# KiCad board Wheels Board.kicad_pcb
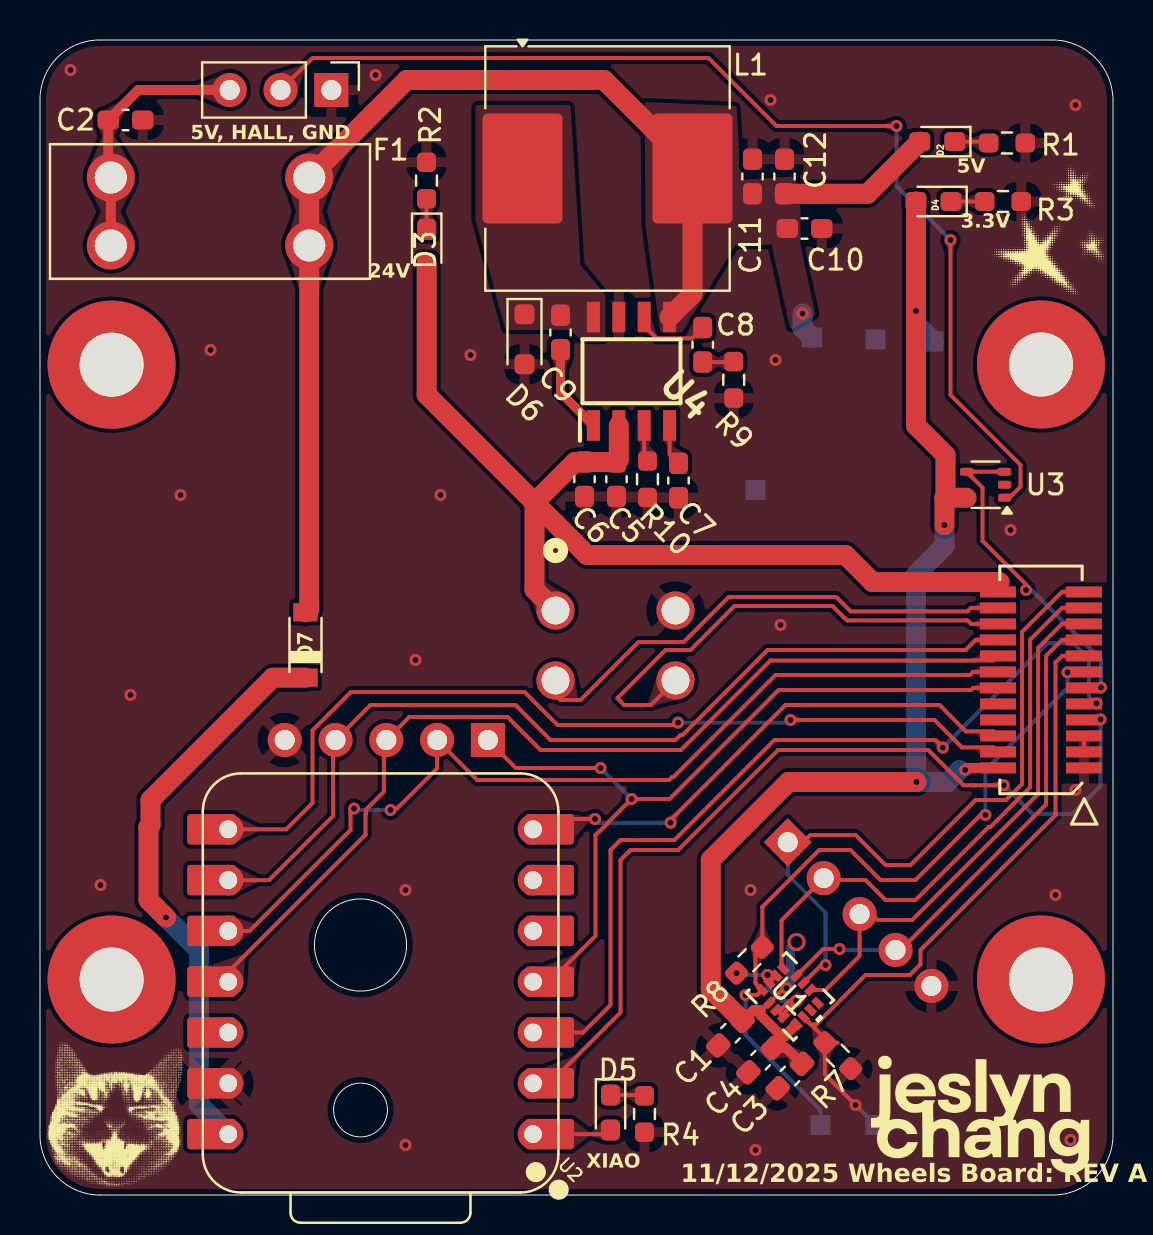
[diagram p0: board, top side]
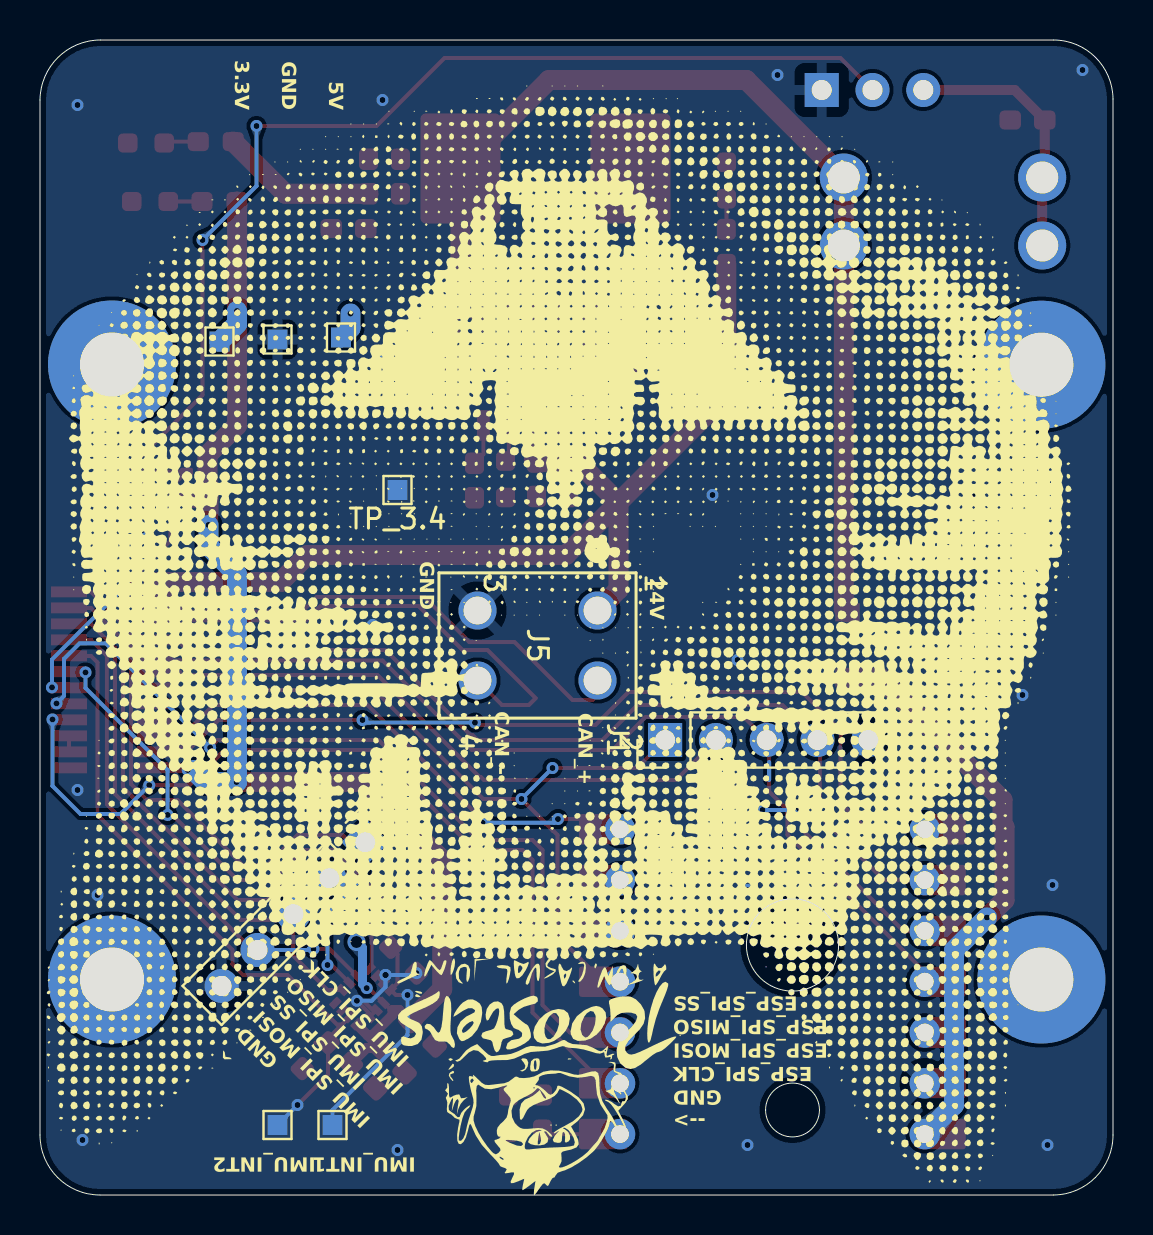
[diagram p1: board, bottom side, seen from below]

Outline 53.65 x 57.75 mm; copper layers: Top, Bottom. Coordinates in mm from the lower left corner of the outline.
Outline path: circle c16.03,12.5 r2.3 ; circle c16.03,4.25 r1.35 ; 0,3 0,54.8 arc(0.88,56.89) 2.98,57.75 50.62,57.75 arc(52.76,56.87) 53.65,54.75 53.65,3 arc(52.77,0.88) 50.65,0 2.98,0 arc(0.87,0.89) 0,3
Stack: Top 0.035mm / dielectric 1.51mm FR4 er 4.5 / Bottom 0.035mm

## Placement (name value [footprint] x y rotation side)
C1  100nf  [C_0603_1608Metric_Pad1.08x0.95mm_HandSolder]  34.53 8.09 225 top
C2  100nf  [C_0603_1608Metric_Pad1.08x0.95mm_HandSolder]  4.28 53.75 0 top
C3  10uf  [C_0603_1608Metric_Pad1.08x0.95mm_HandSolder]  37.5 5.95 225 top
C4  100nf  [C_0603_1608Metric_Pad1.08x0.95mm_HandSolder]  36.03 6.74 225 top
C5  10uF  [C_0603_1608Metric_Pad1.08x0.95mm_HandSolder]  28.83 35.79 270 top
C6  1uF  [C_0603_1608Metric_Pad1.08x0.95mm_HandSolder]  27.23 35.79 270 top
C7  10nF  [C_0603_1608Metric_Pad1.08x0.95mm_HandSolder]  31.93 35.72 270 top
C8  3.3nF  [C_0603_1608Metric_Pad1.08x0.95mm_HandSolder]  33.14 42.51 270 top
C9  0.1uF  [C_0603_1608Metric_Pad1.08x0.95mm_HandSolder]  26.03 43.12 90 top
C10  10uF  [C_0603_1608Metric_Pad1.08x0.95mm_HandSolder]  38.23 48.33 0 top
C11  10uF  [C_0603_1608Metric_Pad1.08x0.95mm_HandSolder]  35.62 50.92 90 top
C12  10uF  [C_0603_1608Metric_Pad1.08x0.95mm_HandSolder]  37.23 50.92 90 top
D2  LED  [LED_0603_1608Metric_Pad1.05x0.95mm_HandSolder]  44.86 52.67 180 top
D3  LED  [LED_0603_1608Metric_Pad1.05x0.95mm_HandSolder]  19.34 47.41 270 top
D4  LED  [LED_0603_1608Metric_Pad1.05x0.95mm_HandSolder]  44.68 49.67 180 top
D5  LED  [LED_0603_1608Metric_Pad1.05x0.95mm_HandSolder]  28.53 4.12 270 top
D6  MBR230S1F  [D_SOD-323_HandSoldering]  24.23 42.79 270 top
D7  MBR0520LT1G  [SOD3716X135N]  13.28 27.5 90 top
F1  Fuse  [FUSE_3568]  8.5 49.17 180 top
G***  -  [LOGO]  50.28 6.25 0 top
G***#2  -  [LOGO]  54.71 47.65 0 top
G***#3  -  [LOGO]  3.78 4 0 top
G***#4  -  [LOGO]  27.73 27.97 0 bottom
J1  Conn_01x05  [PinHeader_1x05_P2.54mm_Vertical]  22.4 22.75 90 bottom
J2  Conn_01x05  [PinHeader_1x05_P2.54mm_Vertical]  37.39 17.64 225 bottom
J3  Conn_01x03  [PinHeader_1x03_P2.54mm_Vertical]  14.57 55.25 270 top
J4  53307-2471  [PeripheralSOM]  50.05 25.75 270 top
J5  -  [MX150_02x02_Vertical]  25.77 29.23 270 bottom
L1  100uH  [L_Coilcraft_MSS1246-XXX]  28.38 51.33 0 top
LOGO1  LHRS  [LHRs_LOGO]  44.78 55.25 0 top
LOGO2  Rooster  [roosters]  28.65 5.95 0 bottom
R1  1.5k  [R_0603_1608Metric_Pad0.98x0.95mm_HandSolder]  48.35 52.6 0 top
R2  4.2k  [R_0603_1608Metric_Pad0.98x0.95mm_HandSolder]  19.33 50.73 90 top
R3  1.5k  [R_0603_1608Metric_Pad0.98x0.95mm_HandSolder]  48.15 49.67 0 top
R4  1.5k  [R_0603_1608Metric_Pad0.98x0.95mm_HandSolder]  30.23 4.05 270 top
R7  10k  [R_0603_1608Metric_Pad0.98x0.95mm_HandSolder]  39.89 6.96 315 top
R8  10k  [R_0603_1608Metric_Pad0.98x0.95mm_HandSolder]  35.47 11.74 225 top
R9  16k  [R_0603_1608Metric_Pad0.98x0.95mm_HandSolder]  34.69 40.76 270 top
R10  ROSC  [R_0603_1608Metric_Pad0.98x0.95mm_HandSolder]  30.38 35.79 270 top  (not fitted)
TP_3.1  TestPoint  [TestPoint_Pad_1.0x1.0mm]  44.68 42.67 0 bottom
TP_3.2  TestPoint  [TestPoint_Pad_1.0x1.0mm]  39.03 3.5 0 bottom
TP_3.3  TestPoint  [TestPoint_Pad_1.0x1.0mm]  41.78 3.5 0 bottom
TP_3.4  TestPoint  [TestPoint_Pad_1.0x1.0mm]  35.78 35.25 0 bottom
TP_5V1  TestPoint  [TestPoint_Pad_1.0x1.0mm]  38.6 42.88 0 bottom
TP_GND1  TestPoint  [TestPoint_Pad_1.0x1.0mm]  41.78 42.78 0 bottom
U1  ASM330LHHTR  [LGA-14L_2P5X3X0P83_STM]  37.5 9.93 315 top
U2  XIAO-ESP32-S3-SMD  [XIAO-ESP32S3-DIP]  17.03 10.67 180 top
U3  TLV9001IDCK  [SOT-353_SC-70-5]  47.28 35.51 180 top
U4  -  [TPS5405DR]  29.58 41.19 90 top

## Library data of the parts
C1 C2 C4 C9 = -: Description: Unpolarized capacitor; P/N: MLASH168SB7104KTNA01; ki_fp_filters: C_*
C3 C5 C10-C12 = -: Description: Unpolarized capacitor; P/N: GRM21BR61H106KE43K; ki_fp_filters: C_*
C6 = -: Description: Unpolarized capacitor; P/N: MLASU168SB5105KTNA01; ki_fp_filters: C_*
C7 C8 = -: Description: Unpolarized capacitor; P/N: MSASH168SB5103KTNA01; ki_fp_filters: C_*
D2-D5 = -: Description: Light emitting diode; Sim.Pins: 1=K 2=A; P/N: LTST-C193TBKT-5A; ki_fp_filters: LED* LED_SMD:* LED_THT:*
D6 = -: Datasheet: https://www.onsemi.com/pdf/datasheet/ss26fl-d.pdf; Description: Schottky diode; P/N: MP01EA06; ki_fp_filters: TO-???* *_Diode_* *SingleDiode* D_*
D7 = -: MANUFACTURER: ON Semiconductor
F1 = -: ki_fp_filters: *Fuse*
J1 J2 = -: Description: Generic connector, single row, 01x05, script generated (kicad-library-utils/schlib/autogen/connector/); ki_fp_filters: Connector*:*_1x??_*
J3 = -: Description: Generic connector, single row, 01x03, script generated (kicad-library-utils/schlib/autogen/connector/); ki_fp_filters: Connector*:*_1x??_*
J4 = -: Datasheet: https://www.molex.com/en-us/products/part-detail-pdf/533072471?display=pdf; Description: Board-to-board connector for Peripheral SOM daughterboards
J5 = -: Datasheet: https://www.molex.com/en-us/products/part-detail/757575121?display=pdf; P/N: 757575121
L1 = -: Datasheet: https://www.mouser.com/datasheet/2/597/mss1246-270708.pdf; Description: Inductor; P/N: MSS1246-104MLC; ki_fp_filters: Choke_* *Coil* Inductor_* L_*
LOGO1 LOGO2 = -: Description: Graph footprint placeholder
R1-R4 = -: Description: Resistor; P/N: CRCW06032K00FKEA; ki_fp_filters: R_*
R7 R8 = -: Description: Resistor; P/N: CRCW060310K0FKEI; ki_fp_filters: R_*
R9 = -: Description: Resistor; P/N: CRCW060316K0FKTA; ki_fp_filters: R_*
R10 = -: Description: Resistor; ki_fp_filters: R_*
TP_3.1-TP_3.4 TP_5V1 TP_GND1 = -: Description: test point; ki_fp_filters: Pin* Test*
U1 = -: Datasheet: https://www.st.com/resource/en/datasheet/asm330lhh.pdf; ki_fp_filters: LGA-14L_2P5X3X0P83_STM LGA-14L_2P5X3X0P83_STM-M LGA-14L_2P5X3X0P83_STM-L
U2 = -: Datasheet: https://wiki.seeedstudio.com/xiao_esp32s3_getting_started/; P/N: 113991114
U3 = -: Datasheet: https://www.ti.com/lit/ds/symlink/tlv9001.pdf; Description: Low-power, Rail-to-Rail, 1MHz Operational Amplifier, SOT-353; ki_fp_filters: SOT*353*SC*70*
U4 = -: Datasheet: https://www.ti.com/lit/ds/symlink/tps5405.pdf?HQS=dis-dk-null-digikeymode-dsf-pf-null-wwe&ts=1744490234630&ref_url=https%253A%252F%252Fwww.ti.com%252Fgeneral%252Fdocs%252Fsuppproductinfo.tsp%253FdistId%253D10%2526gotoUrl%253Dhttps%253A%252F%252Fwww.ti.com%252Flit%252Fgpn%252Ftps5405; Description: Buck Switching Regulator IC Positive Fixed 5V; ki_fp_filters: D0008A-IPC_A D0008A-IPC_B D0008A-IPC_C D0008A-MFG

## Footprints (pads in the part's own frame, mm; a bottom-side part is the same pattern mirrored in y, then rotated)
C_0603_1608Metric_Pad1.08x0.95mm_HandSolder
  rrect 1.075x0.95 smd: 1(-0.863,0) 2(0.863,0)
D_SOD-323_HandSoldering
  rrect 1x1 smd: 1(-1.25,0) 2(1.25,0)
FUSE_3568
  round 2.4 hole 1.6: 1(-4.96,1.7) 1(-4.96,-1.7) 2(4.96,1.7) 2(4.96,-1.7)
L_Coilcraft_MSS1246-XXX
  rrect 4x5.5 smd: 1(-4.25,0) 2(4.25,0)
LED_0603_1608Metric_Pad1.05x0.95mm_HandSolder
  rrect 1.05x0.95 smd: 1(-0.875,0) 2(0.875,0)
LGA-14L_2P5X3X0P83_STM
  rect 0.577x0.352 smd: 1(-1.21,0.75) 2(-1.21,0.25) 3(-1.21,-0.25) 4(-1.21,-0.75) 8(1.21,-0.75) 9(1.21,-0.25) 10(1.21,0.25) 11(1.21,0.75)
  rect 0.352x0.577 smd: 5(-0.5,-0.956) 6(0,-0.956) 7(0.5,-0.956) 12(0.5,0.956) 13(0,0.956) 14(-0.5,0.956)
MX150_02x02_Vertical
  round 1.905 hole 1.397: 1(0,0) 2(3.5,0) 3(0,-6) 4(3.5,-6)
PeripheralSOM
  rect 0.55x1.8 smd: 1(4.4,2.15) 2(4.4,-2.15) 3(3.6,2.15) 4(3.6,-2.15) 5(2.8,2.15) 6(2.8,-2.15) 7(2,2.15) 8(2,-2.15) 9(1.2,2.15) 10(1.2,-2.15) 11(0.4,2.15) 12(0.4,-2.15) 13(-0.4,2.15) 14(-0.4,-2.15) 15(-1.2,2.15) 16(-1.2,-2.15) 17(-2,2.15) 18(-2,-2.15) 19(-2.8,2.15) 20(-2.8,-2.15) 21(-3.6,2.15) 22(-3.6,-2.15) 23(-4.4,2.15) 24(-4.4,-2.15)
  round 3.6 hole 3.2: 25(-15.77,0) 26(14.98,0) 27(14.98,-46.47) 28(-15.76,-46.47)
  round 6.4 smd: 25(-15.77,0) 26(14.98,0) 27(14.98,-46.47) 28(-15.76,-46.47)
  round 6.4 smd far side: 25(-15.77,0) 26(14.98,0) 27(14.98,-46.47) 28(-15.76,-46.47)
PinHeader_1x03_P2.54mm_Vertical
  rect 1.7x1.7 hole 1: 1(0,0)
  round 1.7 hole 1: 2(0,-2.54) 3(0,-5.08)
PinHeader_1x05_P2.54mm_Vertical
  rect 1.7x1.7 hole 1: 1(0,0)
  round 1.7 hole 1: 2(0,-2.54) 3(0,-5.08) 4(0,-7.62) 5(0,-10.16)
R_0603_1608Metric_Pad0.98x0.95mm_HandSolder
  rrect 0.975x0.95 smd: 1(-0.912,0) 2(0.912,0)
SOD3716X135N
  rect 0.91x1.22 smd: A(1.635,0) C(-1.635,0)
SOT-353_SC-70-5
  rrect 0.65x0.4 smd: 1(-0.95,0.65) 2(-0.95,0) 3(-0.95,-0.65) 4(0.95,-0.65) 5(0.95,0.65)
TestPoint_Pad_1.0x1.0mm
  rect 1x1 smd: 1(0,0)
TPS5405DR
  rect 1.528x0.65 smd: 1(-2.711,1.905) 2(-2.711,0.635) 3(-2.711,-0.635) 4(-2.711,-1.905) 5(2.711,-1.905) 6(2.711,-0.635) 7(2.711,0.635) 8(2.711,1.905)
XIAO-ESP32S3-DIP
  rrect 2.432x1.524 smd: 1(-8.455,7.62) 2(-8.455,5.08) 3(-8.455,2.54) 4(-8.455,0) 5(-8.455,-2.54) 6(-8.455,-5.08) 7(-8.455,-7.62) 8(8.455,-7.62) 9(8.455,-5.08) 10(8.455,-2.54) 11(8.455,0) 12(8.455,2.54) 13(8.455,5.08) 14(8.455,7.62)
  round 1.524 hole 0.889: 1(-7.62,7.62) 2(-7.62,5.08) 3(-7.62,2.54) 4(-7.62,0) 5(-7.62,-2.54) 6(-7.62,-5.08) 7(-7.62,-7.62) 8(7.62,-7.62) 9(7.62,-5.08) 10(7.62,-2.54) 11(7.62,0) 12(7.62,2.54) 13(7.62,5.08) 14(7.62,7.62)

## Nets
+3.3V: C1.1 C3.1 C4.1 D4.2 J4.2 TP_3.1.1 U1.5 U1.8 U3.5
+5V: C10.1 C11.1 C12.1 D2.2 D7.A F1.1 L1.2 TP_5V1.1 U4.5
+24V: C5.1 C6.1 D3.2 J4.24 J5.1 TP_3.4.1 U4.2
GND: C1.2 C2.2 C3.2 C4.2 C5.2 C6.2 C7.2 C10.2 C11.2 C12.2 D6.2 J1.5 J2.5 J3.1 J4.1 J4.3 J4.5 J5.3 R1.2 R2.2 R3.2 R4.2 R7.2 R8.2 R9.2 R10.2 TP_GND1.1 U1.2 U1.3 U1.6 U1.7 U2.13 U3.2 U4.7
/24v to 5v convertor/IND_NODE: C9.2 D6.1 L1.1 U4.8
/24v to 5v convertor/ROSC: R10.1 U4.3
/CAN_+: J4.22 J5.2
/CAN_-: J4.20 J5.4
/ESP_SPI_CLK: J1.4 J4.18 U2.9
/ESP_SPI_MISO: J1.2 J4.14 U2.10
/ESP_SPI_MOSI: J1.3 J4.16 U2.11
/ESP_SPI_SS: J1.1 J4.12 U2.4
/ESP_UART_RX: J4.4 U2.8
/ESP_UART_TX: J4.6 U2.7
/EXTRA_GPIO1: J4.7 U2.2
/EXTRA_GPIO2: J4.9 U2.3
/HALL_FEEDBACK: J4.11 U3.3 U3.4
/HALL_OUT: J3.2 U3.1
/IMU_INT1: J4.13 R8.1 TP_3.2.1 U1.4
/IMU_INT2: J4.15 R7.1 TP_3.3.1 U1.9
/IMU_SPI_CLK: J2.1 J4.23 U1.13
/IMU_SPI_MISO: J2.2 J4.21 U1.1
/IMU_SPI_MOSI: J2.4 J4.17 U1.14
/IMU_SPI_SS: J2.3 J4.19 U1.12
/XIAO_HEARTBEAT_LED: D5.2 U2.1
Net-(C8-Pad2): C8.2 R9.1
Net-(D2-K): D2.1 R1.1
Net-(D3-K): D3.1 R2.1
Net-(D4-K): D4.1 R3.1
Net-(D5-K): D5.1 R4.1
Net-(J3-Pin_3): C2.1 F1.2 J3.3
Net-(U2-5V): D7.C U2.14
Net-(U4-BOOT): C9.1 U4.1
Net-(U4-COMP): C8.1 U4.6
Net-(U4-SS): C7.1 U4.4

Pads without a net: J4 8 10 25 26 27 28; U1 10 11; U2 5 6 12

## Via types
v1: diameter 0.6, hole 0.3, Top to Bottom, 55 vias
v2: diameter 0.9, hole 0.6, Top to Bottom, 1 via

## Routing (per net, layer and track width the routed paths; a pad name or vN(x,y) marks a point on that pad's centre or on a via; arc(x,y) is an arc through that point)
+3.3V: length 69.6
  Top w0.2: 35.56,8.7 C1.1 ; v1(37.32,10.34) 37.21,10.34 U1.5 36.11,9.25 36.03,9.25
  Top w0.5: 37.28,7.99 C4.1 37.31,7.35 C3.1 ; 37.28,7.99 37.73,8.45 37.73,8.45 ; 37.28,7.99 37.03,7.99 36.03,9 36.03,9.25 35.69,9.25 C1.1 ; J4.2 46.37,21.36 v1(46.26,21.25)
  Top w1: v1(45.23,33.5) 45.23,34.86 ; 45.23,34.86 45.28,34.91 45.28,37 43.8,38.47 v1(43.8,44.2) D4.2 ; 45.23,34.86 U3.5 ; C1.1 33.54,10.29 33.54,16.76 37.43,20.65 v1(43.83,20.65)
  Bottom w0.45: v1(37.32,10.34) 37.53,10.55 37.53,12.35 v2(37.83,12.65)
  Bottom w1: 43.8,21.25 43.8,31.03 45.23,32.45 v1(45.23,33.5) ; 43.8,21.25 43.8,20.65 ; 43.8,21.25 43.8,20.67 43.82,20.65 v1(43.83,20.65) 45.38,20.65 45.98,21.25 ; TP_3.1.1 43.8,43.55 v1(43.8,44.2)
+5V: length 63.6
  Top w1: 31.48,50.18 L1.2 ; L1.2 32.62,45.04 U4.5 ; L1.2 28.2,55.75 18.34,55.75 13.46,50.88 13.46,29.32 D7.A ; C12.1 41.38,50.06 D2.2
  Bottom w1: v1(38.12,44.08) 38.12,43.35 TP_5V1.1
+24V: length 51.7
  Top w1: 28.94,38.48 28.94,36.77 C5.1 C6.1 26.75,36.65 24.73,34.62 ; 24.73,34.62 19.34,40.02 D3.2 ; 24.73,34.62 27.35,32 40.28,32 41.62,30.65 47.98,30.65 ; 24.73,34.62 24.73,30.28 J5.1
GND: length 8.4
  Top w0.2: J4.5 J4.3 ; U1.2 U1.3 36.46,10.91 v1(36.37,11) ; 37.49,9.71 37.03,9.25 U1.6 U1.7 37.17,9.08 v1(37.8,9.71) 37.49,9.71
  Bottom w0.2: v1(34.83,11.09) 34.92,11 v1(36.37,11) 36.37,10.4 37.06,9.71 v1(37.8,9.71)
  vias: v1(1.53,56.25) v1(3.03,15.5) v1(3.28,2.5) v1(4.53,25) v1(7.03,35) v1(8.53,42.25) v1(16.78,56) v1(18.28,15.25) v1(18.28,2.5) v1(18.78,26.75) v1(20.03,35) v1(21.53,42) v1(35.53,15.25) v1(35.78,2.25) v1(36.53,54.75) v1(36.78,41.75) v1(37.03,28.5) v1(48.53,33.25) v1(50.78,15) v1(51.53,2.75) v1(51.78,54.5) v1(51.78,20.25)
/24v to 5v convertor/IND_NODE: length 0.3
  Top w0.2: 24.12,44.14 D6.1 ; 27.58,43.99 U4.8 ; 25.98,44.04 C9.2
/24v to 5v convertor/ROSC: length 1.8
  Top w0.2: U4.3 30.21,36.86 R10.1
/CAN_+: length 25.4
  Top w0.2: J4.22 46.55,29.36 46.37,29.18 40.53,29.18 39.81,29.9 34.44,29.9 32.18,27.65 29.92,27.65 27.03,24.75 26.03,24.75 25.33,25.45
/CAN_-: length 24.9
  Top w0.2: J5.4 30.55,24.5 29.21,24.5 28.87,24.84 31.27,27.25 32.52,27.25 34.73,29.45 39.63,29.45 40.35,28.73 46.37,28.73 46.55,28.56 J4.20
/ESP_SPI_CLK: length 48.3
  Top w0.2: U2.9 11.45,15.75 14.66,18.95 14.66,22.63 16.53,24.5 23.78,24.5 25.53,22.75 31.78,22.75 32.03,23 32.13,23 36.38,27.25 46.28,27.25 46.78,27.75 J4.18 ; U2.9 9.79,15.75
/ESP_SPI_MISO: length 47.2
  Top w0.2: J4.14 46.66,26.16 46.5,26 36.78,26 31.68,20.9 31.61,20.9 31.46,20.75 21.86,20.75 J1.2 19.86,21.33 17.85,19.32 17.6,19.32 v1(17.53,19.25) 17.78,19.25 ; v1(15.7,19.32) 15.53,19.14 15.53,18.25 10.48,13.2 U2.10
  Bottom w0.2: v1(17.53,19.25) 15.78,19.25 v1(15.7,19.32)
/ESP_SPI_MOSI: length 50.7
  Top w0.2: U2.11 9.41,11.15 16.28,18.02 16.28,19.04 16.3,19.07 16.3,19.28 17.2,20.17 17.2,22.63 J1.3 18.47,23.9 23.37,23.9 25.03,22.25 32.05,22.25 36.53,26.72 46.7,26.72 46.7,26.73 47.68,26.73 J4.16
  Bottom w0.2: 17.63,22.5 17.34,22.78 17.57,23 ; 17.2,21.65 17.2,20.75
/ESP_SPI_SS: length 39.9
  Top w0.2: J4.12 46.65,25.35 46.55,25.25 36.93,25.25 31.48,19.8 v1(29.58,19.8) 28.35,18.58 28.35,18.55 28,18.2 27.97,18.2 27.78,18 27.78,12.95 U2.4 ; v1(28.03,21.35) 23.8,21.35 J1.1
  Bottom w0.2: v1(29.58,19.8) v1(28.03,21.35)
/ESP_UART_RX: length 45.2
  Top w0.2: U2.8 12.31,18.28 13.62,19.6 13.62,23.23 15.55,25.15 24.23,25.15 25.88,23.5 32.03,23.5 v1(31.9,23.62) ; v1(37.53,23.75) 44.73,23.75 46.1,22.38 47.68,22.38 J4.4
  Bottom w0.2: v1(31.9,23.62) 37.4,23.62 v1(37.53,23.75)
/ESP_UART_TX: length 25.9
  Top w0.2: U2.7 26,18.8 27.75,18.8 v1(27.75,18.8) ; J4.6 47.68,23.18 46.3,23.18 44.98,24.5 37.28,24.5 35.12,22.34 35.09,22.34 35.1,22.33 31.53,18.75 v1(31.53,18.61)
  Bottom w0.2: v1(31.53,18.61) 27.94,18.61 v1(27.75,18.8)
/EXTRA_GPIO1: length 46.6
  Top w0.2: v1(53.03,23.78) 52.22,23.78 J4.7 52.22,23.78 53.05,23.78 ; 26.21,5.58 U2.2 29.03,9.12 29.03,16.75 29.53,17.25 31.91,17.25 36.91,22.25 44.41,22.25 46.18,20.49 46.67,20.49 46.67,20.49 v1(48.19,20.49)
  Bottom w0.2: v1(53.03,23.78) 53.03,20.45 51.62,19.05 49.62,19.05 v1(48.19,20.49)
/EXTRA_GPIO2: length 43.7
  Top w0.2: U2.3 24.98,7.8 ; J4.9 52.22,24.58 v1(52.83,24.58) ; v1(45.14,22.37) 44.76,22.75 36.73,22.75 31.73,17.75 29.03,17.75 28.53,17.25 28.53,9.5 27.15,8.12 U2.3
  Bottom w0.2: v1(45.14,22.37) 50.36,27.58 51.67,27.58 52.45,26.81 52.45,24.96 v1(52.83,24.58)
/HALL_FEEDBACK: length 16.5
  Top w0.2: 52.18,25.33 J4.11 52.23,25.38 v1(53.05,25.38) ; U3.3 U3.4 47.13,35.36 47.13,32.71 49.3,30.53 v1(49.3,30.25)
  Bottom w0.2: v1(53.05,25.38) 53.05,26.77 49.57,30.25 v1(49.3,30.25)
/HALL_OUT: length 54.5
  Top w0.2: J3.2 13.62,56.85 33.43,56.85 36.83,53.45 v1(42.83,53.45) ; U3.1 48.47,34.86 49.03,35.42 49.03,36.5 45.53,40 v1(45.53,47.75)
  Bottom w0.2: v1(45.53,47.75) 42.83,50.45 v1(42.83,53.45)
/IMU_INT1: length 37.1
  Top w0.2: R8.1 35.77,12.04 35.77,10.59 U1.4 35.86,10 v1(35.28,10) ; R8.1 36.12,12.03 ; R8.1 36.12,14.4 38.96,17.25 40.53,17.25 42.03,15.75 43.77,15.75 47.03,19 v1(47.27,19) 47.13,19.15
  Bottom w0.2: v1(47.27,19) 47.27,21.25 51.38,25.35 v1(51.38,26.13) ; v1(35.28,10) 35.28,8 39.03,4.25 TP_3.2.1
/IMU_INT2: length 34.2
  Top w0.2: R7.1 39.25,6.03 v1(40.78,4.5) ; R7.1 39.25,7.82 U1.9 38.55,8.52 38.8,8.52 41.28,11 43.49,11 44.03,11.54 44.03,12.25 50.78,19 50.78,26.63 51.1,26.95 J4.15 ; R7.1 39.89,7.61
  Bottom w0.2: v1(40.78,4.5) TP_3.3.1
/IMU_SPI_CLK: length 34.1
  Top w0.2: U1.13 39.07,11.5 v1(39.28,11.5) ; J2.1 38.16,17.64 38.53,18 40.78,18 42.28,16.5 43.53,16.5 46.78,19.75 48.3,19.75 49.1,20.55 49.1,28.16 51.1,30.16 J4.23
  Bottom w0.2: v1(39.28,11.5) 39.28,14.12 37.39,16.01 J2.1
/IMU_SPI_MISO: length 29.3
  Top w0.2: J4.21 51.1,29.36 49.5,27.76 49.5,20.38 48.47,19.35 48.47,19.35 47.52,18.4 47.43,18.4 43.78,14.75 42.28,14.75 41.28,15.75 39.28,15.75 J2.2 37.07,13.73 37.07,11.41 U1.1
/IMU_SPI_MOSI: length 25.7
  Top w0.2: J4.17 51.1,27.75 50.3,26.96 50.3,19.53 43.03,12.25 J2.4 ; U1.14 39.16,12.3 v1(39.98,12.3)
  Bottom w0.2: v1(39.98,12.3) 40.23,12.3 40.28,12.25 J2.4
/IMU_SPI_SS: length 27.1
  Top w0.2: 38.58,10.25 U1.12 39.28,10.25 40.98,11.95 J2.3 41.57,14.05 41.87,13.75 43.6,13.75 49.9,20.05 49.9,27.36 51.1,28.56 J4.19
/XIAO_HEARTBEAT_LED: length 3.4
  Top w0.2: D5.2 28.32,3.05 U2.1 25.69,3.25
Net-(C8-Pad2): length 1.6
  Top w0.2: C8.2 34.66,41.65 R9.1
Net-(D2-K): length 1.7
  Top w0.2: D2.1 47.37,52.67 R1.1
Net-(D3-K): length 1.5
  Top w0.2: R2.1 19.33,48.3 D3.1
Net-(D4-K): length 1.7
  Top w0.2: D4.1 R3.1
Net-(D5-K): length 1.7
  Top w0.2: R4.1 30.19,5 D5.1
Net-(J3-Pin_3): length 13
  Top w0.5: F1.2 F1.2 3.41,51 C2.1 4.91,55.25 J3.3
Net-(U2-5V): length 28.7
  Top w1: D7.C 11.64,25.86 5.53,19.75 5.53,18.5 5.43,18.4 5.43,14.75 v1(6.3,13.88)
  Bottom w1: U2.14 7.95,4.51 7.95,12.23 v1(6.3,13.88)
Net-(U4-BOOT): length 4.5
  Top w0.45: U4.1 26.03,40.12 C9.1
Net-(U4-COMP): length 3.8
  Top w0.2: C8.1 32.6,42.83 30.84,42.83 30.21,43.46 U4.6
Net-(U4-SS): length 2.1
  Top w0.2: U4.4 31.48,37.03 C7.1

## Copper pours and planes (outline as drawn; the poured copper is in the pictures)
+3.3V on Top: 36.17,9.57 34.53,8.85 35.15,7.98 36.79,9.66 36.53,9.93
+5V on Top: 30.23,54.65 34.83,54.45 35.05,50.77 37.78,50.92 38.03,49.25 38.03,47.5 38.78,44 37.53,43.25 36.53,47.75 36.58,47.5 34.78,47.5 32.03,43 31.03,43 30.28,48.5
GND on Top, Bottom: -0.3,57.75 53.85,57.65 53.65,-0.1 -0.07,-0.1
/24v to 5v convertor/IND_NODE on Top: 26.53,54.5 27.03,46.5 28.28,45 28.28,42.75 27.03,42.75 26.53,43.25 23.28,43.25 21.78,48.75 21.78,54.5

Small or netless copper shapes (teardrops, artwork), in the pictures only: 92 on Top, 11 on Bottom

## Text on the board
B.Silkscreen: 24V | CAN_+ | CAN_- | GND | 5V / GND / 3.3V | --> / GND / ESP_SPI_CLK / ESP_SPI_MOSI / ESP_SPI_MISO / ESP_SPI_SS | IMU_INT1 | IMU_INT2 | ^ / GND / IMU_SPI_MOSI / IMU_SPI_SS / IMU_SPI_MISO / IMU_SPI_CLK
F.Fab: *
F.Silkscreen: 5V, HALL, GND | 24V | XIAO | 5V | 3.3V | 11/12/2025 Wheels Board: REV A
